# Altium PCB PCB1.PcbDoc (continued)
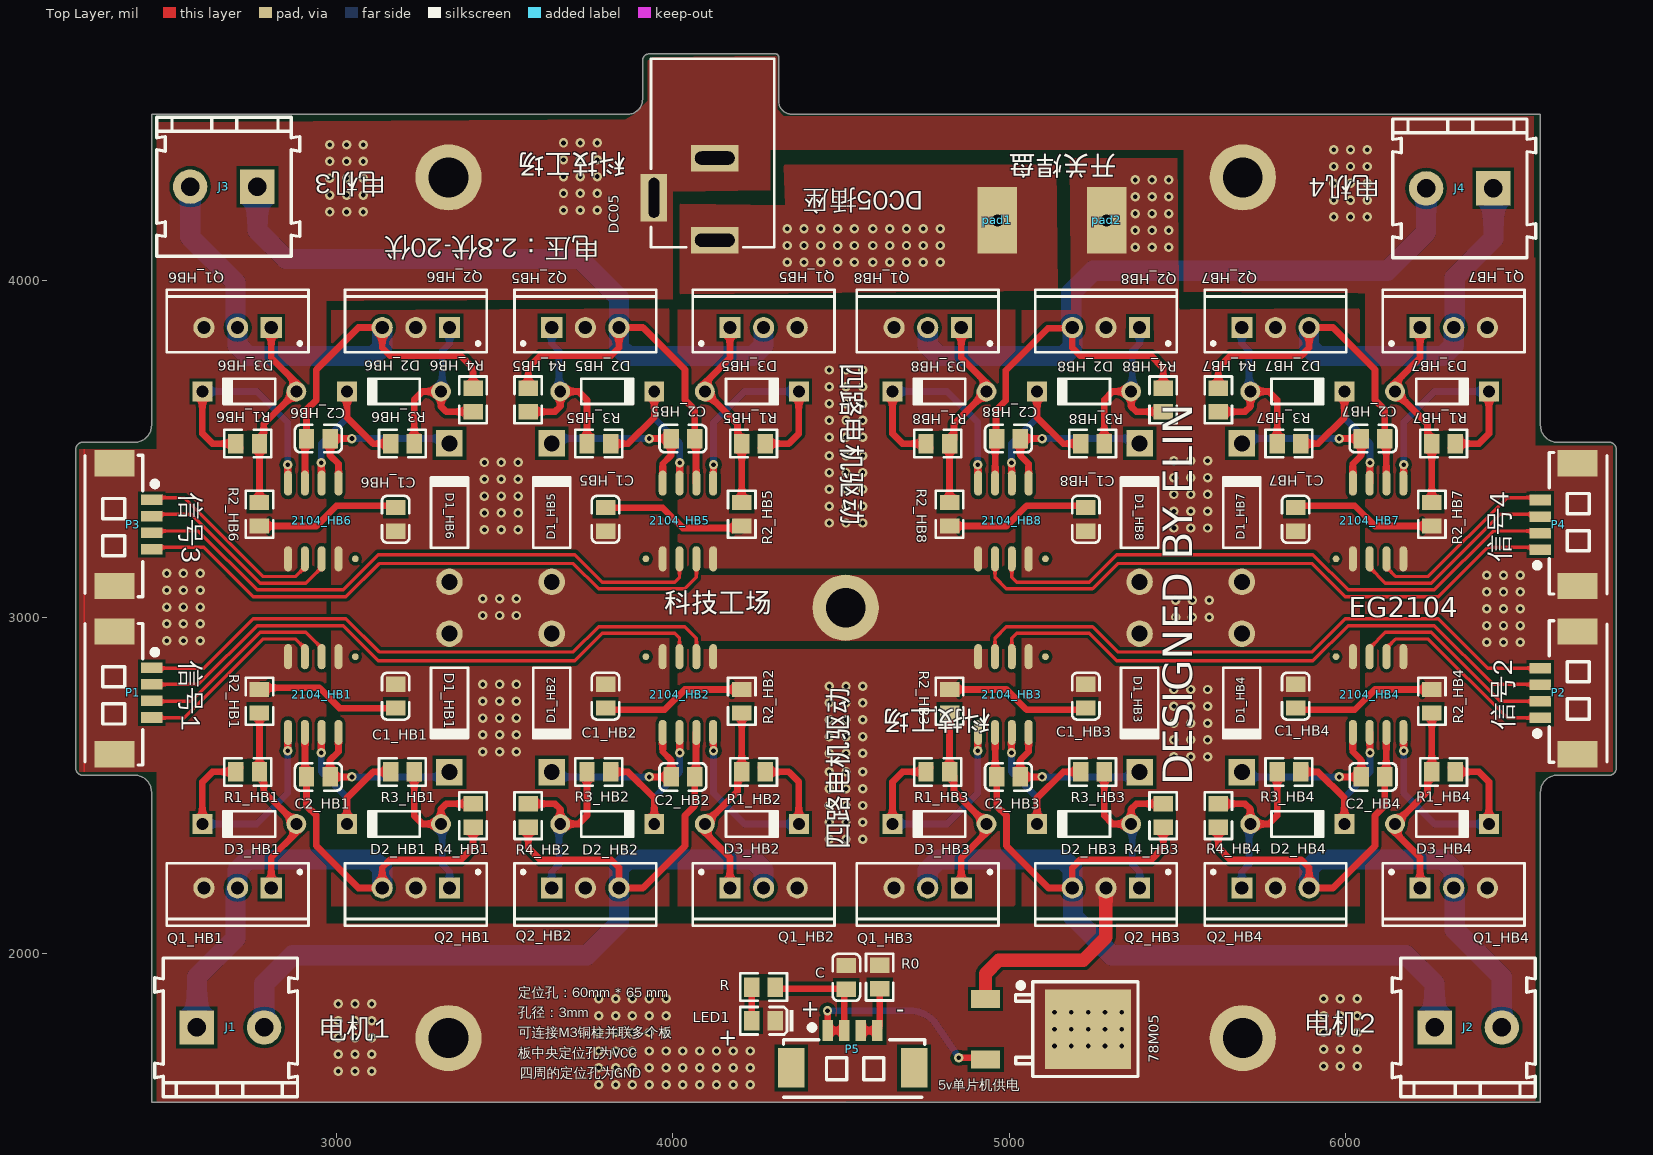
[diagram p0: Top Layer view]
## Nets (pads, with @x,y where several pads share a name; then routed paths per layer and width w, separated by ;. In a path a pad name is that pad's centre, name@x,y a point inside that pad or via, vN(x,y) a via of type N, cw(c..) or ccw(c..) an arc to the next point about the centre after c; other vN are vias at no path point)
+5: 78M05.3 C.1 P5.1 P5.2 R.1 | length 946.7
  Top Layer w20: R.1@4300.04,1895 C.1@4510,1895 ; v1(4460,1830) cw(c4458.46,1828.46) 4460.64,1828.46 P5.1 P5.2 4509.85,1878.71 cw(c4531.45,1878.71) C.1 ; v1(4850,1690) 78M05.3@4897.75,1690
  Bottom Layer w20: v1(4460,1830) 4703.58,1830 cw(c4703.58,1730) 4774.29,1800.71 ; 4775,1800 v1(4850,1690)
+12: DC05.1 pad1.1
  other v1: 4340,4055 4390,4055 4440,4055 4490,4055 4540,4055 4595,4055 4645,4055 4695,4055 4745,4055 4795,4055 4340,4105 4390,4105 4440,4105 4490,4105 4540,4105 4595,4105 4645,4105 4695,4105 4745,4105 4795,4105 4340,4155 4390,4155 4440,4155 4490,4155 4540,4155 4595,4155 4645,4155 4695,4155 4745,4155 4795,4155
GND: 78M05.4 2104_HB1.4 2104_HB2.4 2104_HB3.4 2104_HB4.4 2104_HB5.4 2104_HB6.4 2104_HB7.4 2104_HB8.4 C1_HB1.1 C1_HB2.1 C1_HB3.1 C1_HB4.1 C1_HB5.1 C1_HB6.1 C1_HB7.1 C1_HB8.1 C.2 DC05.2 DC05.3 LED1.2 P1.0 P2.0 P3.0 P4.0 pad.15 pad.16 pad.17 pad.18 Q1_HB1.3 Q1_HB2.3 Q1_HB3.3 Q1_HB4.3 Q1_HB5.3 Q1_HB6.3 Q1_HB7.3 Q1_HB8.3 R0.1 R2_HB1.2 R2_HB2.2 R2_HB3.2 R2_HB4.2 R2_HB5.2 R2_HB6.2 R2_HB7.2 R2_HB8.2 | length 3402.1
  Top Layer w20: R2_HB6.2 2940.17,3270.96 3000.25,3331.44 C1_HB6.1@3170.04,3332 ; R2_HB1.2@2780,2790 2949.17,2790 3009.25,2729.52 C1_HB1.1@3179.04,2728.96 ; C1_HB5.1 3969.79,3325.48 4029.87,3265 4199.04,3265 R2_HB5.2 ; C1_HB2.1@3805.96,2724 3975.75,2724.56 4035.83,2785.04 R2_HB2.2 ; R2_HB3.2 4992.17,2785.04 5052.25,2724.56 C1_HB3.1@5222.04,2724 ; R2_HB8.2 4992.17,3270.96 5052.25,3331.44 C1_HB8.1@5222.04,3332 ; C1_HB4.1@5857.96,2724 6027.75,2724.56 6087.83,2785.04 R2_HB4.2 ; C1_HB7.1@5857.96,3332 6027.75,3331.44 6087.83,3270.96 R2_HB7.2
  other v1: 3780,1610 3830,1610 3880,1610 3930,1610 3980,1610 4030,1610 4080,1610 4130,1610 4180,1610 4230,1610 3005,1650 3055,1650 3105,1650 3780,1660 3830,1660 3880,1660 3930,1660 3980,1660 4030,1660 4080,1660 4130,1660 4180,1660 4230,1660 5935,1665 5985,1665 6035,1665 3005,1700 3055,1700 3105,1700 3780,1710 3830,1710 3880,1710 3930,1710 3980,1710 4030,1710 4080,1710 4130,1710 4180,1710 4230,1710 5935,1715 5985,1715 6035,1715 5135,1725 5185,1725 5235,1725 5285,1725 5335,1725 3005,1750 3055,1750 3105,1750 3780,1765 3830,1765 3880,1765 3930,1765 3980,1765 5935,1765 5985,1765 6035,1765 5135,1775 5185,1775 5235,1775 5285,1775 5335,1775 3005,1800 3055,1800 3105,1800 3780,1815 3830,1815 3880,1815 3930,1815 3980,1815 5935,1815 5985,1815 6035,1815 5135,1825 5185,1825 5235,1825 5285,1825 5335,1825 3005,1850 3055,1850 3105,1850 3780,1865 3830,1865 3880,1865 3930,1865 3980,1865 5935,1865 5985,1865 6035,1865 4465,2340 4515,2340 4565,2340 4465,2390 4515,2390 4565,2390 4465,2440 4515,2440 4565,2440 4465,2490 4515,2490 4565,2490 4465,2540 4515,2540 4565,2540 4465,2595 4515,2595 4565,2595 4465,2645 4515,2645 4565,2645 4465,2695 4515,2695 4565,2695 4465,2745 4515,2745 4565,2745 4465,2795 4515,2795 4565,2795 6420,2925 6470,2925 6520,2925 2495,2930 2545,2930 2595,2930 6420,2975 6470,2975 6520,2975 2495,2980 2545,2980 2595,2980 6420,3025 6470,3025 6520,3025 2495,3030 2545,3030 2595,3030 6420,3075 6470,3075 6520,3075 2495,3080 2545,3080 2595,3080 6420,3125 6470,3125 6520,3125 2495,3130 2545,3130 2595,3130 4465,3280 4515,3280 4565,3280 4465,3330 4515,3330 4565,3330 4465,3380 4515,3380 4565,3380 4465,3430 4515,3430 4565,3430 4465,3480 4515,3480 4565,3480 4465,3535 4515,3535 4565,3535 4465,3585 4515,3585 4565,3585 4465,3635 4515,3635 4565,3635 4465,3685 4515,3685 4565,3685 4465,3735 4515,3735 4565,3735 5965,4190 6015,4190 6065,4190 2980,4205 3030,4205 3080,4205 3675,4210 3725,4210 3775,4210 5965,4240 6015,4240 6065,4240 2980,4255 3030,4255 3080,4255 3675,4260 3725,4260 3775,4260 5965,4290 6015,4290 6065,4290 2980,4305 3030,4305 3080,4305 3675,4310 3725,4310 3775,4310 5965,4340 6015,4340 6065,4340 2980,4355 3030,4355 3080,4355 3675,4360 3725,4360 3775,4360 5965,4390 6015,4390 6065,4390 2980,4405 3030,4405 3080,4405 3675,4410 3725,4410 3775,4410
MT1: 2104_HB1.6 C2_HB1.1 J1.1 Q1_HB1.2 Q2_HB1.3 R4_HB1.1 | length 2044.1
  Top Layer w20: 2104_HB1.6 2906.69,2656.79 2906.69,2529.27 C2_HB1.1 2910.96,2439.04 2940,2410 2940,2320 3065,2195 Q2_HB1.3 3136,2255 3159,2278 3369.28,2278 3406,2314.72 R4_HB1.1
  Bottom Layer w20: Q1_HB1.2@2700,2189 Q1_HB1.2
  Bottom Layer w60: J1.1 2585,1930 2700,2045 Q1_HB1.2@2700,2189 ; Q1_HB1.2 2706,2248 2737,2279 3110,2279 3136,2253 Q2_HB1.3
MT2: 2104_HB2.6 C2_HB2.1 J1.2 Q1_HB2.2 Q2_HB2.3 R4_HB2.1 | length 2943.5
  Top Layer w20: R4_HB2.1 3570,2314.72 3606.72,2278 3817,2278 3840,2255 Q2_HB2.3 3911,2195 4036,2320 4036,2410 4065.04,2439.04 C2_HB2.1 4069.31,2529.27 4069.31,2656.79 2104_HB2.6
  Bottom Layer w60: J1.2 2785,1910 2870,1995 3745,1995 3840,2090 Q2_HB2.3 3840,2253 3866,2279 4239,2279 4270,2248 Q1_HB2.2
MT3: 2104_HB3.6 C2_HB3.1 J2.1 Q1_HB3.2 Q2_HB3.3 R4_HB3.1 | length 2931.8
  Top Layer w20: 2104_HB3.6 4958.69,2656.79 4958.69,2529.27 C2_HB3.1 4962.96,2439.04 4992,2410 4992,2320 5117,2195 Q2_HB3.3 5188,2255 5211,2278 5421.28,2278 5458,2314.72 R4_HB3.1
  Bottom Layer w60: Q1_HB3.2 4758,2248 4789,2279 5162,2279 5188,2253 Q2_HB3.3 ; Q2_HB3.3@5190,2175 5190,2110 5305,1995 6180,1995 6265,1910 J2.1
MT4: 2104_HB4.6 C2_HB4.1 J2.2 Q1_HB4.2 Q2_HB4.3 R4_HB4.1 | length 2045.9
  Top Layer w20: R4_HB4.1 5622,2314.72 5658.72,2278 5869,2278 5892,2255 Q2_HB4.3 5963,2195 6088,2320 6088,2410 6117.04,2439.04 C2_HB4.1 6121.31,2529.27 6121.31,2656.79 2104_HB4.6
  Bottom Layer w60: Q2_HB4.3 5892,2253 5918,2279 6291,2279 6322,2248 Q1_HB4.2 ; Q1_HB4.2@6325,2189 6325,2070 6465,1930 J2.2
MT5: 2104_HB5.6 C2_HB5.1 J3.1 Q1_HB5.2 Q2_HB5.3 R4_HB5.1 | length 2931.8
  Top Layer w20: R4_HB5.1 3570,3741.28 3606.72,3778 3817,3778 3840,3801 Q2_HB5.3 3911,3861 4036,3736 4036,3646 4065.04,3616.96 C2_HB5.1 4069.31,3526.73 4069.31,3399.21 2104_HB5.6
  Bottom Layer w60: J3.1 2765,4150 2850,4065 3725,4065 3840,3950 Q2_HB5.3@3840,3885 ; Q2_HB5.3 3840,3803 3866,3777 4239,3777 4270,3808 Q1_HB5.2
MT6: 2104_HB6.6 C2_HB6.1 J3.2 Q1_HB6.2 Q2_HB6.3 R4_HB6.1 | length 2056.3
  Top Layer w20: 2104_HB6.6 2906.69,3399.21 2906.69,3526.73 C2_HB6.1 2910.96,3616.96 2940,3646 2940,3736 3065,3861 Q2_HB6.3 3136,3801 3159,3778 3369.28,3778 3406,3741.28 R4_HB6.1
  Bottom Layer w60: J3.2 2565,4130 2700,3995 2700,3867 Q1_HB6.2 2706,3808 2737,3777 3110,3777 3136,3803 Q2_HB6.3
MT7: 2104_HB7.6 C2_HB7.1 J4.1 Q1_HB7.2 Q2_HB7.3 R4_HB7.1 | length 2035.6
  Top Layer w20: R4_HB7.1 5622,3741.28 5658.72,3778 5869,3778 5892,3801 Q2_HB7.3 5963,3861 6088,3736 6088,3646 6117.04,3616.96 C2_HB7.1 6121.31,3526.73 6121.31,3399.21 2104_HB7.6
  Bottom Layer w60: Q2_HB7.3 5892,3803 5918,3777 6291,3777 6322,3808 Q1_HB7.2 ; Q1_HB7.2@6325,3866 6325,4010 6440,4125 J4.1
MT8: 2104_HB8.6 C2_HB8.1 J4.2 Q1_HB8.2 Q2_HB8.3 R4_HB8.1 | length 2943.5
  Top Layer w20: 2104_HB8.6 4958.69,3399.21 4958.69,3526.73 C2_HB8.1@4960.83,3528.87 ; C2_HB8.1 C2_HB8.1@4960.83,3528.87 ; Q2_HB8.3@5185.87,3858.87 5114.87,3858.87 4989.87,3733.87 4989.87,3643.87 4960.83,3614.83 C2_HB8.1@4960.83,3528.87 ; Q2_HB8.3 5188,3801 5211,3778 5421.28,3778 5458,3741.28 R4_HB8.1
  Bottom Layer w60: Q1_HB8.2 4758,3808 4789,3777 5162,3777 5188,3803 Q2_HB8.3 ; Q2_HB8.3@5185,3860 5185,3965 5250,4030 6125,4030 6240,4145 J4.2
Net2104_HB1_5: 2104_HB1.5 D3_HB1.2 R1_HB1.1 | length 728.2
  Top Layer w20: D3_HB1.2 2601.24,2510.24 2631,2540 R1_HB1.1 R1_HB1.1@2713.8,2552.83 ; v1(2855,2603) 2855,2656.48 2104_HB1.5
  Bottom Layer w20: D3_HB1.2 2763,2385 2855,2477 v1(2855,2603)
Net2104_HB1_7: 2104_HB1.7 D2_HB1.2 R3_HB1.1 | length 561.7
  Top Layer w20: v1(2955,2597) 2955,2656.48 2104_HB1.7 ; D2_HB1.2 3031.24,2462.15 3109.08,2540 R3_HB1.1 R3_HB1.1@3148.13,2527.17
  Bottom Layer w20: v1(2955,2597) 2955,2540 3031.24,2463.76 D2_HB1.2
Net2104_HB1_8: 2104_HB1.8 C2_HB1.2 D1_HB1.2 | length 503.6
  Top Layer w20: 2104_HB1.8 3006,2599.92 2981.04,2574.96 C2_HB1.2 v1(3046,2525)
  Bottom Layer w20: v1(3046,2525) 3321.91,2525 D1_HB1.2
Net2104_HB2_5: 2104_HB2.5 D3_HB2.2 R1_HB2.1 | length 728.2
  Top Layer w20: 2104_HB2.5 4121,2656.48 v1(4121,2603) ; R1_HB2.1@4262.2,2552.83 R1_HB2.1 4345,2540 4374.76,2510.24 D3_HB2.2
  Bottom Layer w20: v1(4121,2603) 4121,2477 4213,2385 D3_HB2.2
Net2104_HB2_7: 2104_HB2.7 D2_HB2.2 R3_HB2.1 | length 561.7
  Top Layer w20: R3_HB2.1@3827.87,2527.17 R3_HB2.1 3866.92,2540 3944.76,2462.15 D2_HB2.2 ; 2104_HB2.7 4021,2656.48 v1(4021,2597)
  Bottom Layer w20: D2_HB2.2 3944.76,2463.76 4021,2540 v1(4021,2597)
Net2104_HB2_8: 2104_HB2.8 C2_HB2.2 D1_HB2.2 | length 503.6
  Top Layer w20: v1(3930,2525) C2_HB2.2 3994.96,2574.96 3970,2599.92 2104_HB2.8
  Bottom Layer w20: D1_HB2.2 3654.09,2525 v1(3930,2525)
Net2104_HB3_5: 2104_HB3.5 D3_HB3.2 R1_HB3.1 | length 728.2
  Top Layer w20: D3_HB3.2 4653.24,2510.24 4683,2540 R1_HB3.1 R1_HB3.1@4765.8,2552.83 ; v1(4907,2603) 4907,2656.48 2104_HB3.5
  Bottom Layer w20: D3_HB3.2 4815,2385 4907,2477 v1(4907,2603)
Net2104_HB3_7: 2104_HB3.7 D2_HB3.2 R3_HB3.1 | length 561.7
  Top Layer w20: v1(5007,2597) 5007,2656.48 2104_HB3.7 ; D2_HB3.2 5083.24,2462.15 5161.08,2540 R3_HB3.1 R3_HB3.1@5200.13,2527.17
  Bottom Layer w20: v1(5007,2597) 5007,2540 5083.24,2463.76 D2_HB3.2
Net2104_HB3_8: 2104_HB3.8 C2_HB3.2 D1_HB3.2 | length 503.6
  Top Layer w20: 2104_HB3.8 5058,2599.92 5033.04,2574.96 C2_HB3.2 v1(5098,2525)
  Bottom Layer w20: v1(5098,2525) 5373.91,2525 D1_HB3.2
Net2104_HB4_5: 2104_HB4.5 D3_HB4.2 R1_HB4.1 | length 728.2
  Top Layer w20: 2104_HB4.5 6173,2656.48 v1(6173,2603) ; R1_HB4.1@6314.2,2552.83 R1_HB4.1 6397,2540 6426.76,2510.24 D3_HB4.2
  Bottom Layer w20: v1(6173,2603) 6173,2477 6265,2385 D3_HB4.2
Net2104_HB4_7: 2104_HB4.7 D2_HB4.2 R3_HB4.1 | length 561.7
  Top Layer w20: R3_HB4.1@5879.87,2527.17 R3_HB4.1 5918.92,2540 5996.76,2462.15 D2_HB4.2 ; 2104_HB4.7 6073,2656.48 v1(6073,2597)
  Bottom Layer w20: D2_HB4.2 5996.76,2463.76 6073,2540 v1(6073,2597)
Net2104_HB4_8: 2104_HB4.8 C2_HB4.2 D1_HB4.2 | length 503.6
  Top Layer w20: v1(5982,2525) C2_HB4.2 6046.96,2574.96 6022,2599.92 2104_HB4.8
  Bottom Layer w20: D1_HB4.2 5706.09,2525 v1(5982,2525)
Net2104_HB5_5: 2104_HB5.5 D3_HB5.2 R1_HB5.1 | length 728.2
  Top Layer w20: 2104_HB5.5 4121,3399.52 v1(4121,3453) ; R1_HB5.1@4262.2,3503.17 R1_HB5.1 4345,3516 4374.76,3545.76 D3_HB5.2
  Bottom Layer w20: v1(4121,3453) 4121,3579 4213,3671 D3_HB5.2
Net2104_HB5_7: 2104_HB5.7 D2_HB5.2 R3_HB5.1 | length 561.7
  Top Layer w20: R3_HB5.1@3827.87,3528.83 R3_HB5.1 3866.92,3516 3944.76,3593.85 D2_HB5.2 ; 2104_HB5.7 4021,3399.52 v1(4021,3459)
  Bottom Layer w20: D2_HB5.2 3944.76,3592.24 4021,3516 v1(4021,3459)
Net2104_HB5_8: 2104_HB5.8 C2_HB5.2 D1_HB5.2 | length 503.6
  Top Layer w20: v1(3930,3531) C2_HB5.2 3994.96,3481.04 3970,3456.08 2104_HB5.8
  Bottom Layer w20: D1_HB5.2 3654.09,3531 v1(3930,3531)
Net2104_HB6_5: 2104_HB6.5 D3_HB6.2 R1_HB6.1 | length 728.2
  Top Layer w20: D3_HB6.2 2601.24,3545.76 2631,3516 R1_HB6.1 R1_HB6.1@2713.8,3503.17 ; v1(2855,3453) 2855,3399.52 2104_HB6.5
  Bottom Layer w20: D3_HB6.2 2763,3671 2855,3579 v1(2855,3453)
Net2104_HB6_7: 2104_HB6.7 D2_HB6.2 R3_HB6.1 | length 561.7
  Top Layer w20: v1(2955,3459) 2955,3399.52 2104_HB6.7 ; D2_HB6.2 3031.24,3593.85 3109.08,3516 R3_HB6.1 R3_HB6.1@3148.13,3528.83
  Bottom Layer w20: v1(2955,3459) 2955,3516 3031.24,3592.24 D2_HB6.2
Net2104_HB6_8: 2104_HB6.8 C2_HB6.2 D1_HB6.2 | length 503.6
  Top Layer w20: 2104_HB6.8 3006,3456.08 2981.04,3481.04 C2_HB6.2 v1(3046,3531)
  Bottom Layer w20: v1(3046,3531) 3321.91,3531 D1_HB6.2
Net2104_HB7_5: 2104_HB7.5 D3_HB7.2 R1_HB7.1 | length 728.2
  Top Layer w20: 2104_HB7.5 6173,3399.52 v1(6173,3453) ; R1_HB7.1@6314.2,3503.17 R1_HB7.1 6397,3516 6426.76,3545.76 D3_HB7.2
  Bottom Layer w20: v1(6173,3453) 6173,3579 6265,3671 D3_HB7.2
Net2104_HB7_7: 2104_HB7.7 D2_HB7.2 R3_HB7.1 | length 561.7
  Top Layer w20: R3_HB7.1@5879.87,3528.83 R3_HB7.1 5918.92,3516 5996.76,3593.85 D2_HB7.2 ; 2104_HB7.7 6073,3399.52 v1(6073,3459)
  Bottom Layer w20: D2_HB7.2 5996.76,3592.24 6073,3516 v1(6073,3459)
Net2104_HB7_8: 2104_HB7.8 C2_HB7.2 D1_HB7.2 | length 503.6
  Top Layer w20: v1(5982,3531) C2_HB7.2 6046.96,3481.04 6022,3456.08 2104_HB7.8
  Bottom Layer w20: D1_HB7.2 5706.09,3531 v1(5982,3531)
Net2104_HB8_5: 2104_HB8.5 D3_HB8.2 R1_HB8.1 | length 728.2
  Top Layer w20: D3_HB8.2 4653.24,3545.76 4683,3516 R1_HB8.1 R1_HB8.1@4765.8,3503.17 ; v1(4907,3453) 4907,3399.52 2104_HB8.5
  Bottom Layer w20: D3_HB8.2 4815,3671 4907,3579 v1(4907,3453)
Net2104_HB8_7: 2104_HB8.7 D2_HB8.2 R3_HB8.1 | length 561.7
  Top Layer w20: v1(5007,3459) 5007,3399.52 2104_HB8.7 ; D2_HB8.2 5083.24,3593.85 5161.08,3516 R3_HB8.1 R3_HB8.1@5200.13,3528.83
  Bottom Layer w20: v1(5007,3459) 5007,3516 5083.24,3592.24 D2_HB8.2
Net2104_HB8_8: 2104_HB8.8 C2_HB8.2 D1_HB8.2 | length 503.6
  Top Layer w20: 2104_HB8.8 5058,3456.08 5033.04,3481.04 C2_HB8.2 v1(5098,3531)
  Bottom Layer w20: v1(5098,3531) 5373.91,3531 D1_HB8.2
NetD2_HB1_1: D2_HB1.1 Q2_HB1.1 R3_HB1.2 R4_HB1.2 | length 566.9
  Top Layer w20: R3_HB1.2 3231.04,2409.96 3256,2385 D2_HB1.1 ; D2_HB1.1@3314.5,2381.26 D2_HB1.1 ; R4_HB1.2 3326.04,2445.04 3310.76,2429.76 D2_HB1.1
  Bottom Layer w20: D2_HB1.1@3314.5,2381.26 3314.5,2264.5 3336,2243 Q2_HB1.1
NetD2_HB2_1: D2_HB2.1 Q2_HB2.1 R3_HB2.2 R4_HB2.2 | length 566.9
  Top Layer w20: R4_HB2.2 3649.96,2445.04 3665.24,2429.76 D2_HB2.1 ; D2_HB2.1@3661.5,2381.26 D2_HB2.1 ; R3_HB2.2 3744.96,2409.96 3720,2385 D2_HB2.1
  Bottom Layer w20: Q2_HB2.1 3640,2243 3661.5,2264.5 D2_HB2.1@3661.5,2381.26
NetD2_HB3_1: D2_HB3.1 Q2_HB3.1 R3_HB3.2 R4_HB3.2 | length 566.9
  Top Layer w20: R3_HB3.2 5283.04,2409.96 5308,2385 D2_HB3.1 ; D2_HB3.1@5366.5,2381.26 D2_HB3.1 ; R4_HB3.2 5378.04,2445.04 5362.76,2429.76 D2_HB3.1
  Bottom Layer w20: D2_HB3.1@5366.5,2381.26 5366.5,2264.5 5388,2243 Q2_HB3.1
NetD2_HB4_1: D2_HB4.1 Q2_HB4.1 R3_HB4.2 R4_HB4.2 | length 566.9
  Top Layer w20: R4_HB4.2 5701.96,2445.04 5717.24,2429.76 D2_HB4.1 ; D2_HB4.1@5713.5,2381.26 D2_HB4.1 ; R3_HB4.2 5796.96,2409.96 5772,2385 D2_HB4.1
  Bottom Layer w20: Q2_HB4.1 5692,2243 5713.5,2264.5 D2_HB4.1@5713.5,2381.26
NetD2_HB5_1: D2_HB5.1 Q2_HB5.1 R3_HB5.2 R4_HB5.2 | length 566.9
  Top Layer w20: R4_HB5.2 3649.96,3610.96 3665.24,3626.24 D2_HB5.1 ; D2_HB5.1@3661.5,3674.74 D2_HB5.1 ; R3_HB5.2 3744.96,3646.04 3720,3671 D2_HB5.1
  Bottom Layer w20: Q2_HB5.1 3640,3813 3661.5,3791.5 D2_HB5.1@3661.5,3674.74
NetD2_HB6_1: D2_HB6.1 Q2_HB6.1 R3_HB6.2 R4_HB6.2 | length 566.9
  Top Layer w20: R3_HB6.2 3231.04,3646.04 3256,3671 D2_HB6.1 ; D2_HB6.1@3314.5,3674.74 D2_HB6.1 ; R4_HB6.2 3326.04,3610.96 3310.76,3626.24 D2_HB6.1
  Bottom Layer w20: D2_HB6.1@3314.5,3674.74 3314.5,3791.5 3336,3813 Q2_HB6.1
NetD2_HB7_1: D2_HB7.1 Q2_HB7.1 R3_HB7.2 R4_HB7.2 | length 566.9
  Top Layer w20: R4_HB7.2 5701.96,3610.96 5717.24,3626.24 D2_HB7.1 ; D2_HB7.1@5713.5,3674.74 D2_HB7.1 ; R3_HB7.2 5796.96,3646.04 5772,3671 D2_HB7.1
  Bottom Layer w20: Q2_HB7.1 5692,3813 5713.5,3791.5 D2_HB7.1@5713.5,3674.74
NetD2_HB8_1: D2_HB8.1 Q2_HB8.1 R3_HB8.2 R4_HB8.2 | length 566.9
  Top Layer w20: R3_HB8.2 5283.04,3646.04 5308,3671 D2_HB8.1 ; D2_HB8.1@5366.5,3674.74 D2_HB8.1 ; R4_HB8.2 5378.04,3610.96 5362.76,3626.24 D2_HB8.1
  Bottom Layer w20: D2_HB8.1@5366.5,3674.74 5366.5,3791.5 5388,3813 Q2_HB8.1
NetD3_HB1_1: D3_HB1.1 Q1_HB1.1 R1_HB1.2 R2_HB1.1 | length 596.4
  Top Layer w20: R1_HB1.2 R2_HB1.1@2771.02,2714.94 ; R1_HB1.2 2783.87,2527.17 2783.87,2481.89 D3_HB1.1 2880.76,2359.76 2806,2285 Q1_HB1.1
NetD3_HB2_1: D3_HB2.1 Q1_HB2.1 R1_HB2.2 R2_HB2.1 | length 596.4
  Top Layer w20: Q1_HB2.1 4170,2285 4095.24,2359.76 D3_HB2.1 4192.13,2481.89 4192.13,2527.17 R1_HB2.2 ; R1_HB2.2 R2_HB2.1@4204.98,2714.94
NetD3_HB3_1: D3_HB3.1 Q1_HB3.1 R1_HB3.2 R2_HB3.1 | length 596.4
  Top Layer w20: R1_HB3.2 R2_HB3.1@4823.02,2714.94 ; R1_HB3.2 4835.87,2527.17 4835.87,2481.89 D3_HB3.1 4932.76,2359.76 4858,2285 Q1_HB3.1
NetD3_HB4_1: D3_HB4.1 Q1_HB4.1 R1_HB4.2 R2_HB4.1 | length 596.4
  Top Layer w20: Q1_HB4.1 6222,2285 6147.24,2359.76 D3_HB4.1 6244.13,2481.89 6244.13,2527.17 R1_HB4.2 ; R1_HB4.2 R2_HB4.1@6256.98,2714.94
NetD3_HB5_1: D3_HB5.1 Q1_HB5.1 R1_HB5.2 R2_HB5.1 | length 596.4
  Top Layer w20: Q1_HB5.1 4170,3771 4095.24,3696.24 D3_HB5.1 4192.13,3574.11 4192.13,3528.83 R1_HB5.2 ; R2_HB5.1@4204.98,3341.06 R1_HB5.2
NetD3_HB6_1: D3_HB6.1 Q1_HB6.1 R1_HB6.2 R2_HB6.1 | length 596.4
  Top Layer w20: R2_HB6.1@2771.02,3341.06 R1_HB6.2 ; R1_HB6.2 2783.87,3528.83 2783.87,3574.11 D3_HB6.1 2880.76,3696.24 2806,3771 Q1_HB6.1
NetD3_HB7_1: D3_HB7.1 Q1_HB7.1 R1_HB7.2 R2_HB7.1 | length 596.4
  Top Layer w20: Q1_HB7.1 6222,3771 6147.24,3696.24 D3_HB7.1 6244.13,3574.11 6244.13,3528.83 R1_HB7.2 ; R2_HB7.1@6256.98,3341.06 R1_HB7.2
NetD3_HB8_1: D3_HB8.1 Q1_HB8.1 R1_HB8.2 R2_HB8.1 | length 596.4
  Top Layer w20: R2_HB8.1@4823.02,3341.06 R1_HB8.2 ; R1_HB8.2 4835.87,3528.83 4835.87,3574.11 D3_HB8.1 4932.76,3696.24 4858,3771 Q1_HB8.1
NetLED1_1: LED1.1 R.2 | length 115
  Top Layer w20: LED1.1 R.2@4234.96,1915
NetP5_3: P5.3 P5.4 R0.2 | length 175.3
  Top Layer w20: P5.3 P5.4 ccw(c4592.04,1786.89) 4615,1786.89 R0.2
PWM1: 2104_HB1.2 P1.3 | length 637.3
  Top Layer w10: P1.3@2448.65,2749.85 2567.85,2749.85 2772.92,2954.92 2909.19,2954.92 2956,2908.11 2104_HB1.2
PWM2: 2104_HB2.2 P1.2 | length 1781.6
  Top Layer w10: P1.2@2449.59,2800 2589,2800 2763.92,2974.92 3019.79,2974.92 3124.72,2870 3708,2870 3790,2952 4006,2952 4020,2938 2104_HB2.2
PWM3: 2104_HB3.2 P2.3 | length 1782.9
  Top Layer w10: 2104_HB3.2 5008,2938 5022,2952 5238,2952 5320,2870 5903.28,2870 6008.21,2974.92 6264.08,2974.92 6439,2800 6578.41,2800 P2.3
PWM4: 2104_HB4.2 P2.2 | length 637.3
  Top Layer w10: 2104_HB4.2 6072,2908.11 6118.81,2954.92 6255.08,2954.92 6460.15,2749.85 P2.2
PWM5: 2104_HB5.2 P3.3 | length 1781.6
  Top Layer w10: P3.3@2449.59,3256 2589,3256 2763.92,3081.08 3019.79,3081.08 3124.72,3186 3708,3186 3790,3104 4006,3104 4020,3118 2104_HB5.2
PWM6: 2104_HB6.2 P3.2 | length 637.3
  Top Layer w10: P3.2@2448.65,3306.15 2567.85,3306.15 2772.92,3101.08 2909.19,3101.08 2956,3147.89 2104_HB6.2
PWM7: 2104_HB7.2 P4.3 | length 637.3
  Top Layer w10: 2104_HB7.2 6072,3147.89 6118.81,3101.08 6255.08,3101.08 6460.15,3306.15 P4.3@6579.35,3306.15
PWM8: 2104_HB8.2 P4.2 | length 1781.6
  Top Layer w10: 2104_HB8.2 5008,3118 5022,3104 5238,3104 5320,3186 5903.28,3186 6008.21,3081.08 6264.08,3081.08 6439,3256 P4.2@6578.41,3256
SD1: 2104_HB1.3 P1.4 | length 591.1
  Top Layer w10: P1.4@2448.65,2700.64 2546.92,2700.64 2781.21,2934.92 2879.19,2934.92 2906,2908.11 2104_HB1.3
SD2: 2104_HB2.3 P1.1 | length 1823.7
  Top Layer w10: P1.1@2448.65,2848.28 2605.28,2848.28 2751.92,2994.92 3028.08,2994.92 3126.46,2896.54 3704.54,2896.54 3780,2972 4036,2972 4070,2938 2104_HB2.3
SD3: 2104_HB3.3 P2.4 | length 1823.7
  Top Layer w10: 2104_HB3.3 4958,2938 4992,2972 5248,2972 5323.46,2896.54 5901.54,2896.54 5999.92,2994.92 6276.08,2994.92 6422.72,2848.28 P2.4
SD4: 2104_HB4.3 P2.1 | length 591.1
  Top Layer w10: 2104_HB4.3 6122,2908.11 6148.81,2934.92 6246.79,2934.92 6481.08,2700.64 P2.1
SD5: 2104_HB5.3 P3.4 | length 1823.7
  Top Layer w10: P3.4@2448.65,3207.72 2605.28,3207.72 2751.92,3061.08 3028.08,3061.08 3126.46,3159.46 3704.54,3159.46 3780,3084 4036,3084 4070,3118 2104_HB5.3
SD6: 2104_HB6.3 P3.1 | length 591.1
  Top Layer w10: P3.1@2448.65,3355.36 2546.92,3355.36 2781.21,3121.08 2879.19,3121.08 2906,3147.89 2104_HB6.3
SD7: 2104_HB7.3 P4.4 | length 591.1
  Top Layer w10: 2104_HB7.3 6122,3147.89 6148.81,3121.08 6246.79,3121.08 6481.08,3355.36 P4.4@6579.35,3355.36
SD8: 2104_HB8.3 P4.1 | length 1823.7
  Top Layer w10: 2104_HB8.3 4958,3118 4992,3084 5248,3084 5323.46,3159.46 5901.54,3159.46 5999.92,3061.08 6276.08,3061.08 6422.72,3207.72 P4.1@6579.35,3207.72
VCC: 78M05.1 2104_HB1.1 2104_HB2.1 2104_HB3.1 2104_HB4.1 2104_HB5.1 2104_HB6.1 2104_HB7.1 2104_HB8.1 C1_HB1.2 C1_HB2.2 C1_HB3.2 C1_HB4.2 C1_HB5.2 C1_HB6.2 C1_HB7.2 C1_HB8.2 D1_HB1.1 D1_HB2.1 D1_HB3.1 D1_HB4.1 D1_HB5.1 D1_HB6.1 D1_HB7.1 D1_HB8.1 pad2.1 pad.19 Q2_HB1.2 Q2_HB2.2 Q2_HB3.2 Q2_HB4.2 Q2_HB5.2 Q2_HB6.2 Q2_HB7.2 Q2_HB8.2 | length 626.5
  Top Layer w20: 78M05.1 78M05.1@4930,1865.36 ; Q2_HB3.2@5288,2188.17 5290,2190.17 ccw(c5283.17,2190.17) Q2_HB3.2
  Top Layer w40: 78M05.1 4929.8,1940.2 4969.6,1980 5220,1980 5288,2048 Q2_HB3.2@5288,2188.17
  other v1: 5490,2585 5540,2585 5590,2585 3435,2600 3485,2600 3535,2600 5490,2635 5540,2635 5590,2635 3435,2650 3485,2650 3535,2650 5490,2685 5540,2685 5590,2685 3435,2700 3485,2700 3535,2700 5490,2735 5540,2735 5590,2735 3435,2750 3485,2750 3535,2750 5490,2785 5540,2785 5590,2785 3435,2800 3485,2800 3535,2800 5495,3000 5545,3000 5595,3000 3435,3005 3485,3005 3535,3005 5495,3050 5545,3050 5595,3050 3435,3055 3485,3055 3535,3055 3440,3260 3490,3260 3540,3260 5490,3265 5540,3265 5590,3265 3440,3310 3490,3310 3540,3310 5490,3315 5540,3315 5590,3315 3440,3360 3490,3360 3540,3360 5490,3365 5540,3365 5590,3365 3440,3410 3490,3410 3540,3410 5490,3415 5540,3415 5590,3415 3440,3460 3490,3460 3540,3460 5490,3465 5540,3465 5590,3465 5375,4100 5425,4100 5475,4100 5375,4150 5425,4150 5475,4150 5375,4200 5425,4200 5475,4200 5375,4250 5425,4250 5475,4250 5375,4300 5425,4300 5475,4300
pads on no net: 2104_HB1.0 2104_HB2.0 2104_HB3.0 2104_HB4.0 2104_HB5.0 2104_HB6.0 2104_HB7.0 2104_HB8.0 P5.0

## Polygon pours and split planes (outlines as drawn)
GND on Bottom Layer "Bottom Layer-GND" (solid, pour order 68): 6510,3512.36 6510,2542.36 6795,2542.36 6795,3512.36
GND on Bottom Layer "Bottom Layer-GND 1" (solid, pour order 64): 2235,3497.36 2235,2537.36 2480,2537.36 2480,3497.36
GND on Bottom Layer "Bottom Layer-GND 2" (solid, remove dead copper, pour order 40): 2465,1985 2465,4070 2970,4070 2970,1985
GND on Bottom Layer "Bottom Layer-GND 3" (solid, remove dead copper, pour order 36): 6059.36,1995 6059.36,4069.39 6564.36,4069.39 6564.36,1995
VCC on Bottom Layer "Top Layer-VCC" (solid, remove dead copper, pour order 32): 5037,3911.9 5037,2140 6042,2140 6042,3917.89
VCC on Bottom Layer "Top Layer-VCC" (solid, remove dead copper, pour order 30): 2985,3911.9 2985,2140 3990,2140 3990,3917.89
GND on Bottom Layer "Bottom Layer-GND 4" (solid, remove dead copper, pour order 26): 4015,3913.69 4015,2045 5017.9,2045 5017.9,3913.69
+12 on Bottom Layer "Bottom Layer-+12" (solid, remove dead copper, pour order 58): 4020,4229.09 4020,3959.09 5145,3969.09 5140,4344.09 4330,4344.09 4335,4224.09
GND on Bottom Layer "Bottom Layer-GND 5" (solid, remove dead copper, pour order 46): 2465,3951.37 4000,3958.75 4000,4265 4290,4270 4290,4390 5520,4390 5520,3969.72 6565,3960.14 6565,4490 4330.71,4490 4310,4509.77 4310,4670 3940,4665 3925,4655 3925,4535 3885,4495 3860,4480 2465,4472.25
GND on Bottom Layer "Bottom Layer-GND 6" (solid, remove dead copper, pour order 34): 2470,2092.52 2470,1559.21 6560,1565.7 6560,2092.52
VCC on Bottom Layer "Bottom Layer-VCC" (solid, remove dead copper, pour order 54): 5185.6,3857.57 5179.83,4365 5499.83,4365 5505.59,3852.57
GND on Top Layer "Top Layer-GND" (solid, pour order 66): 6510,3510 6510,2540 6795,2540 6795,3510
GND on Top Layer "Top Layer-GND 1" (solid, pour order 62): 2235,3500 2235,2540 2480,2540 2480,3500
no net on Top Layer "Top Layer-No Net" (solid, pour order 60): 2250,3500 2250,2540
GND on Top Layer "Top Layer-GND 2" (solid, remove dead copper, pour order 50): 2465,2089.04 2465,1555.72 6565,1562.23 6565,2089.04
GND on Top Layer "Top Layer-GND 3" (solid, remove dead copper, pour order 48): 4015,3913.69 4015,3145 5017.9,3145 5017.9,3913.69
GND on Top Layer "Top Layer-GND 4" (solid, remove dead copper, pour order 42): 6059.36,1995 6059.36,4069.39 6564.36,4069.39 6564.36,1995
GND on Top Layer "Top Layer-GND 5" (solid, remove dead copper, pour order 28): 2465,1985 2465,4070 2970,4070 2970,1985
GND on Top Layer "Top Layer-GND 6" (solid, remove dead copper, pour order 24): 4015,2905 4015,2140 5020,2140 cw(c5020,2142.09) 5017.9,2142.1 5017.9,2905
VCC on Top Layer "Top Layer-VCC" (solid, remove dead copper, pour order 12): 5037,3911.9 5037,2140 6042,2140 6042,3917.89
VCC on Top Layer "Top Layer-VCC" (solid, remove dead copper, pour order 6): 2985,3911.9 2985,2140 3990,2140 3990,3917.89
VCC on Top Layer "Top Layer-VCC 1" (solid, remove dead copper, pour order 52): 5185.6,3857.57 5179.83,4365 5499.83,4365 5505.59,3852.57
GND on Top Layer "Top Layer-GND 7" (solid, remove dead copper, pour order 56): 2465,3937.62 4000,3945 4000,4265 4290,4270 4290,4390 5520,4390 5520,3967.75 6560,3958.21 6560,4490 4330.48,4490 4310,4509.55 4310,4670 3940,4665 3925,4655 3925,4535 3885,4495 3860,4480 2465,4472.25
+12 on Top Layer "Top Layer-+12" (solid, remove dead copper, pour order 44): 4020,4230 4020,3960 5145,3970 5140,4345 4330,4345 4335,4225
VCC on Top Layer "Top Layer-VCC 2" (solid, remove dead copper, pour order 16): 3980,3125 3980,2930 5045,2930 5045,3125
no net on Top Layer "Top Layer-No Net 1" (solid, remove dead copper, pour order 8): 3990,3119.29

## Silkscreen, mask and mechanical layers (free items; w line width, h text height)
Top Overlay:
  text "科技工场" at 3860,4395 h100 r180
  text "开关焊盘" at 5320,4390 h100 r180
  text "电机3" at 3145,4335 h100 r180
  text "电机4" at 6100,4325 h100 r180
  text "DC05插座" at 4745,4285 h100 r180
  text "电压：2.8伏-20伏" at 3780,4145 h100 r180
  text "四路电机驱动" at 4485,3755 h100 r270
  text "信号3" at 2520,3370 h100 r270
  text "信号4" at 6505,3165 h100 r90
  text "EG2104" at 6010,3000 h60
  text "科技工场" at 3975,2995 h100
  text "信号1" at 2520,2870 h100 r270
  text "科技工场" at 4945,2740 h100 r180
  text "信号2" at 6515,2665 h100 r90
  text "DESIGNED BY ELIN" at 5575,2500 h150 r90
  text "四路电机驱动" at 4540,2310 h100 r90
  text "定位孔：60mm * 65 mm" at 3540,1860 h50
  text "+" at 4380,1810 h50
  text "-" at 4665,1810 h50
  text "孔径：3mm" at 3540,1800 h50
  text "电机2" at 5880,1745 h100
  text "可连接M3铜柱并联多个板" at 3540,1740 h50
  text "电机1" at 2950,1730 h100
  text "+" at 4135,1725 h50
  text "板中央定位孔为VCC" at 3540,1680 h50
  text "四周的定位孔为GND" at 3545,1620 h50
  text "5v单片机供电" at 4790,1585 h50
Bottom Overlay:
  lines w10: 2420,3275 2635,3275 ccw(c2635,3325) 2685,3325 2685,3710 ; 2425,2775 2640,2775 cw(c2640,2725) 2690,2725 2690,2350 ; 6330,3710 6330,3325 ccw(c6380,3325) 6380,3275 6610,3275 ; 6340,2350 6340,2725 cw(c6390,2725) 6390,2775 6605,2775
  text "开关焊盘" at 5320,4320 h100
  text "DC05插座" at 4745,4210 h100
  text "电压：2.8伏-20伏" at 3775,4100 h100
  text "四路电机驱动板" at 4985,3475 h100
  text "定位孔：60mm * 65 mm" at 5005,3360 h100
  text "孔径：3mm" at 5005,3245 h100
  text "单片机接口排列：" at 5010,2810 h100
  text "SD+ PWM+ PWM- SD-" at 5005,2705 h60
  text "DESIGNED BY ELIN" at 5275,2535 h200
  text "quatro motor driver" at 5185,1725 h60
Mechanical 1:
  lines w10: 2225,2550 ccw(c2245,2550) 2245,2530 2400,2530 cw(c2400,2480) 2450,2480 2450,2305 2450,1557.09 6580,1557.09 6580,2305 6580,2480 cw(c6630,2480) 6630,2530 6775,2530 6785,2530 ccw(c6785,2550) 6805,2550 6805,3500 ccw(c6785,3500) 6785,3520 6765,3520 6630,3520 cw(c6630,3570) 6580,3570 6580,3725 6580,4495 4420,4495 4355,4495 cw(c4355,4535) 4315,4535 4315,4665 ccw(c4305,4665) 4305,4675 3930,4675 ccw(c3930,4655) 3910,4655 3910,4540 cw(c3865,4540) 3865,4495 2450,4495 2450,3725 2450,3570 cw(c2400,3570) 2400,3520 2245,3520 ccw(c2245,3500) 2225,3500 2225,2550

## Dimensions
6580,1557.09 to 4305,4675 on Mechanical 1
2225,2550 to 6805,2550 on Mechanical 1